# Altium PCB 28Pins_Project_PCB.PcbDoc (continued)
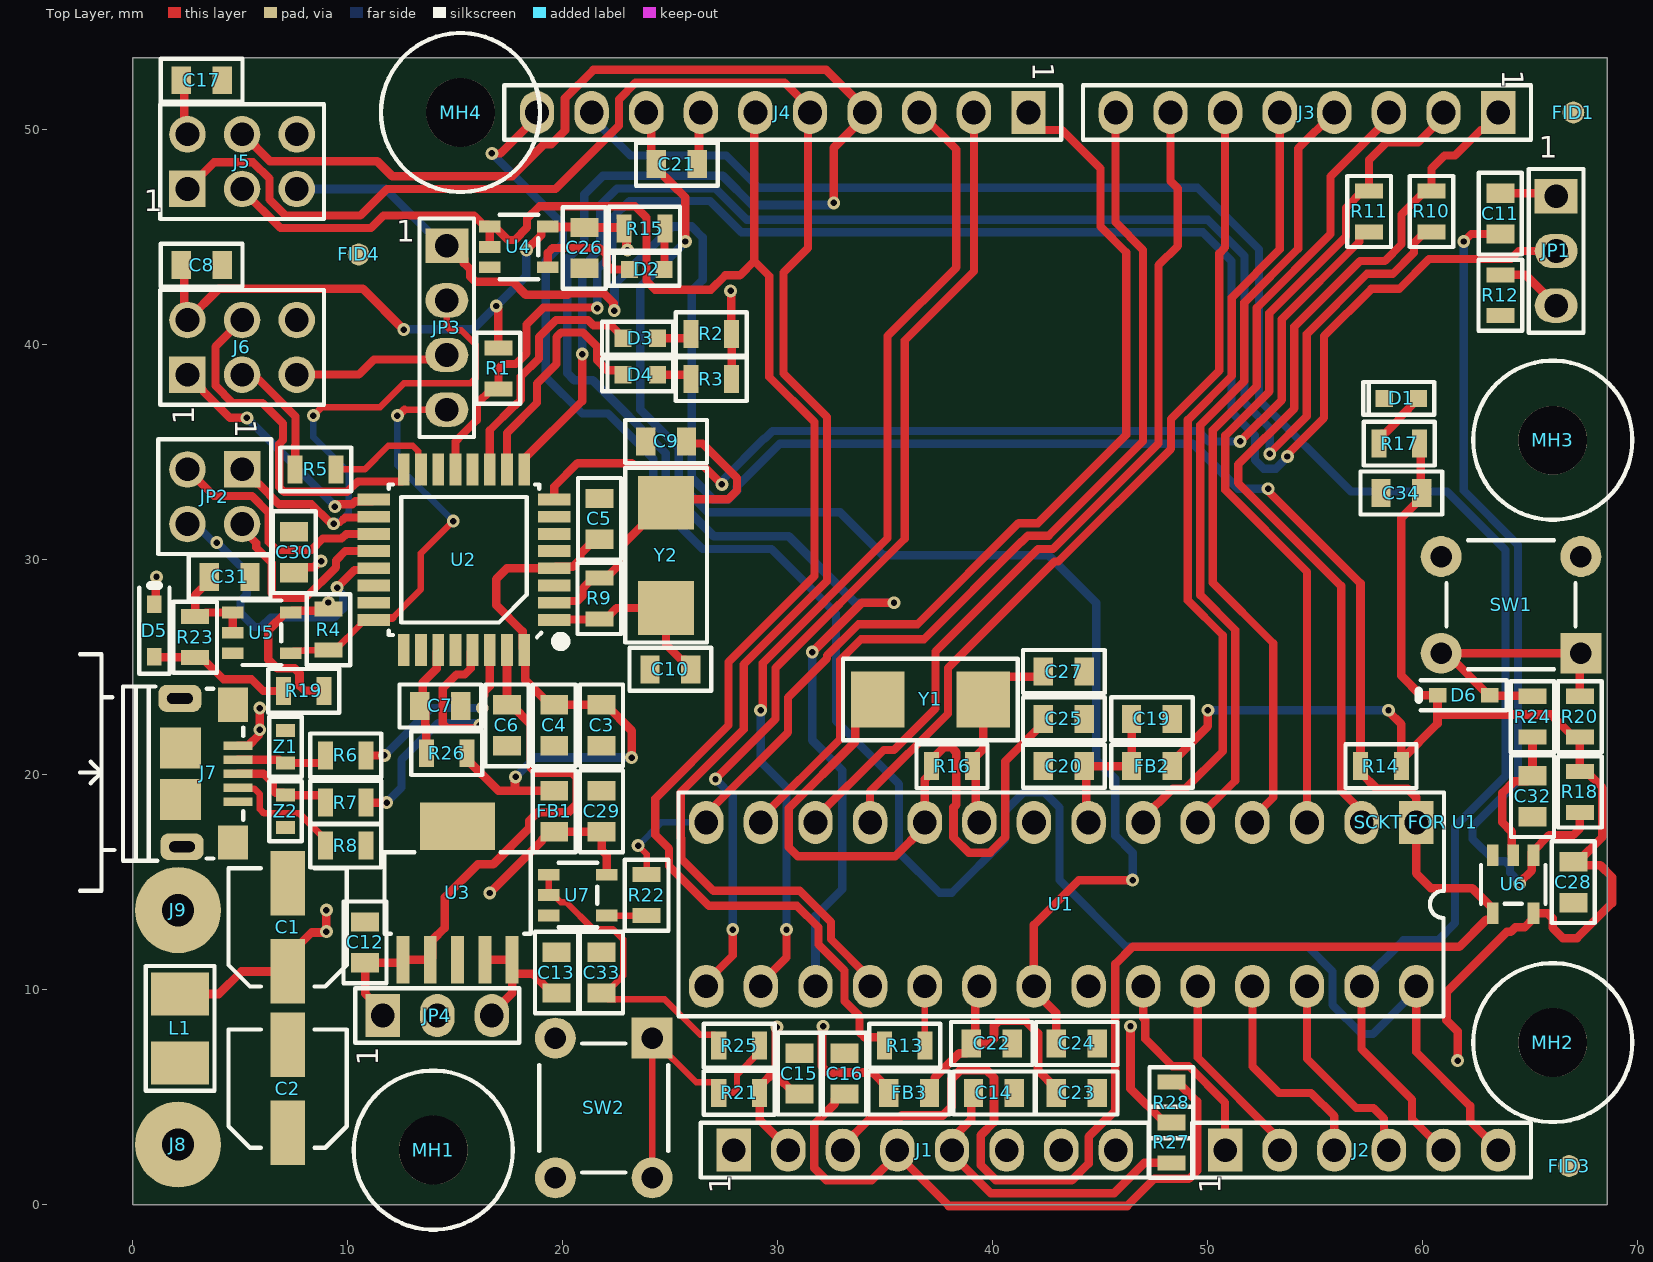
[diagram p0: Top Layer view]
## Part data (continued)
R4 R14 R18 R19 R20 R21: library part RC0805FR-0710KL, "RES SMD 10K OHM 1% 1/8W 0805", Case Code (Metric)=2012, Case Code (Imperial)=0805, Manufacturer=Yageo, Max Operating Temperature=155°C, Max Power Dissipation=125mW, Min Operating Temperature=-55°C, Package Quantity=1, Resistance=10kR, Resistance Tolerance=1%, Resistor Type="Thick Film", Supplier Part Number 1=311-10.0KCRCT-ND, Temperature Coefficient=100ppm/°C, Voltage Rating=150V, Case/Package=0805, Category="Chip SMD Resistors", Construction=Rectangular, Depth=1.25mm, Features="Moisture Resistant", Height=0.024inch, Lead Free="Lead Free", Length=2mm, Manufacturer Part Number=RC0805FR-0710KL, Military Standard=Not, Number of Terminations=2, Packaging="Tape and Reel", Power Rating=125mW, Pricing 1="1=0,10000, 10=0,04200, 100=0,01690, 1000=0,00759, 2500=0,00659 (USD)", REACH SVHC=Unknown, RoHS=Yes, RoHS Compliant=Yes, Series=RC, Size Code=0805, Stock 1=8077861, Supplier 1=Digi-Key, Technology="THICK FILM", Termination=SMD/SMT, Tolerance=1%, Width=0.049inch
R5 R6 R7 R13 R23 R24 R25: library part RC0805FR-0722RL, "RES SMD 22 OHM 1% 1/8W 0805", Case Code (Metric)=2012, Case Code (Imperial)=0805, Manufacturer=Yageo, Max Operating Temperature=155°C, Max Power Dissipation=125mW, Min Operating Temperature=-55°C, Package Quantity=1, Resistance=22R, Resistance Tolerance=1%, Resistor Type="Thick Film", Supplier Part Number 1=311-22.0CRCT-ND, Temperature Coefficient=100ppm/°C, Voltage Rating=150V, Case/Package=0805, Category="Chip SMD Resistors", ComponentLink1Description=https://datasheet.ciiva.com/11819/0900766b8106beab-11819837.pdf?src-supplier=RSComponents, ComponentLink1URL=https://datasheet.ciiva.com/11819/0900766b8106beab-11819837.pdf?src-supplier=RSComponents, ComponentLink2Description=https://datasheet.ciiva.com/46447/444164-46447574.pdf?src-supplier=Element14, ComponentLink2URL=https://datasheet.ciiva.com/46447/444164-46447574.pdf?src-supplier=Element14, ComponentLink3Description=https://datasheet.ciiva.com/2457/pyu-r-int-thick-7-2457045.pdf?src-supplier=Digi-Key, ComponentLink3URL=https://datasheet.ciiva.com/2457/pyu-r-int-thick-7-2457045.pdf?src-supplier=Digi-Key, ComponentLink4Description=https://datasheet.ciiva.com/2457/pyu-r-int-thick-7-2457046.pdf?src-supplier=Digi-Key, ComponentLink4URL=https://datasheet.ciiva.com/2457/pyu-r-int-thick-7-2457046.pdf?src-supplier=Digi-Key, ComponentLink5Description=https://datasheet.ciiva.com/2457/pyu-r-int-thick-7-2457044.pdf?src-supplier=Digi-Key, ComponentLink5URL=https://datasheet.ciiva.com/2457/pyu-r-int-thick-7-2457044.pdf?src-supplier=Digi-Key, ComponentLink6Description=https://datasheet.ciiva.com/12667/rc0805-12667371.pdf?src-supplier=Mouser, ComponentLink6URL=https://datasheet.ciiva.com/12667/rc0805-12667371.pdf?src-supplier=Mouser, Construction=Rectangular, Depth=1.25mm, Features="Moisture Resistant", Height=0.024inch, Lead Free="Lead Free", Length=0.079inch, Manufacturer Part Number=RC0805FR-0722RL, Military Standard=Not, Number of Terminations=2, Packaging="Tape and Reel", Power Rating=125mW, Pricing 1="1=0,10000, 10=0,04200, 100=0,01690, 1000=0,00759, 2500=0,00659 (USD)", REACH SVHC=Unknown, RoHS=Yes, RoHS Compliant=Yes, Series=RC, Stock 1=378305, Supplier 1=Digi-Key, Technology="THICK FILM", Termination=SMD/SMT, Tolerance=1%, Width=0.049inch, Working Voltage=150V
R8 R26 R27 R28: library part RC0805JR-070RL, "Surface Mount Thick Film Resistor, RC Series, 125 mW, - 5%, 150 V, 0805 [2012 Metric]", Case Code (Metric)=2012, Case Code (Imperial)=0805, Manufacturer=Yageo, Max Operating Temperature=155°C, Max Power Dissipation=125mW, Min Operating Temperature=-55°C, Resistance=0mR, Resistance Tolerance=5%, Resistor Type="Thick Film", Supplier Part Number 1=311-0.0ARCT-ND, Temperature Coefficient=200ppm/°C, Voltage Rating=150V, Case/Package=0805, Category="Chip SMD Resistors", ComponentLink1Description=https://datasheet.ciiva.com/7941/1738694-7941861.pdf?src-supplier=Element14, ComponentLink1URL=https://datasheet.ciiva.com/7941/1738694-7941861.pdf?src-supplier=Element14, ComponentLink2Description=https://datasheet.ciiva.com/11819/0900766b8106beab-11819430.pdf?src-supplier=RSComponents, ComponentLink2URL=https://datasheet.ciiva.com/11819/0900766b8106beab-11819430.pdf?src-supplier=RSComponents, ComponentLink3Description=https://datasheet.ciiva.com/7941/1738694-7941862.pdf?src-supplier=Element14, ComponentLink3URL=https://datasheet.ciiva.com/7941/1738694-7941862.pdf?src-supplier=Element14, ComponentLink4Description=https://datasheet.ciiva.com/7941/1738694-7941863.pdf?src-supplier=Element14, ComponentLink4URL=https://datasheet.ciiva.com/7941/1738694-7941863.pdf?src-supplier=Element14, ComponentLink5Description=https://datasheet.ciiva.com/15190/getdatasheetpartid-330685-15190028.pdf?src-supplier=Verical, ComponentLink5URL=https://datasheet.ciiva.com/15190/getdatasheetpartid-330685-15190028.pdf?src-supplier=Verical, Construction=Rectangular, Contact Plating=Tin,Matte, Depth=1.25mm, Features="Moisture Resistant", Height=0.5mm, Lead Free="Lead Free", Length=2mm, Manufacturer Part Number=RC0805JR-070RL, Military Standard=Not, Number of Pins=2, Number of Terminations=2, Packaging="Tape and Reel", Power Rating=125mW, Pricing 1="1=0,10000, 10=0,03100, 25=0,02240, 50=0,01720, 100=0,01260, 250=0,00964, 500=0,00770, 1000=0,00567 (USD)", Radiation Hardening=No, REACH SVHC=Unknown, RoHS=Yes, RoHS Compliant=Yes, Series=RC, Size Code=0805, Stock 1=2901689, Supplier 1=Digi-Key, Technology="THICK FILM", Termination=SMD/SMT, Tolerance=5%, Voltage Rating (DC)=150V, Width=1.25mm
R9 R16: library part RC0805FR-071ML, "Fixed Resistor, Metal Glaze/thick Film, 0.125W, 1000000ohm, 150V, 1% +/-Tol, 100ppm/Cel, Surface Mount, 0805", Case/Package=0805, Manufacturer="Yageo Phycomp", Max Operating Temperature=155°C, Min Operating Temperature=-55°C, Power Rating=125mW, Resistance=1MR, Supplier Part Number 1=311-1.00MCRCT-ND, Temperature Coefficient=100ppm/°C, Tolerance=1%, Voltage Rating (DC)=150V, Category="Chip SMD Resistors", Depth=1.25mm, Height=0.5mm, Lead Free="Lead Free", Length=2mm, Manufacturer Part Number=RC0805FR-071ML, Mount="Surface Mount", Number of Pins=2, Packaging="Cut Tape", Pricing 1="1=0,10000, 10=0,04200, 100=0,01690, 1000=0,00759, 2500=0,00659 (USD)", REACH SVHC="No SVHC", RoHS=Yes, Stock 1=226962, Supplier 1=Digi-Key, Width=1.25mm
R10 R11 R12: library part RC0805FR-071KL, "RESISTOR, 0805 1K 1%, FULL REEL; Product Range:YAGEO - RC Series; Resistance:1kohm; Power Rating:125mW; Resistance Tolerance:± 1%; Resistor Case Style:0805 [2012 Metric]; Resistor Element Material:Thick Film; Temperature Coefficient:± 250ppm/°C; Voltage Rating:150V; Packaging:Tape & Reel; MSL:-; SVHC:No SVHC (16-Dec-2013); External Depth:0.55mm; External Length / Height:2mm; External Width:1.25mm; No. of Pins:2; Operating Temperature Max:155°C; Operating Temperature Min:-55°C; Operating Temperature Range:-55°C to +155°C; Reel Quantity:5000; Resistor Mounting:SMD; Series:RC12H; Temperature Coef", Case Code (Metric)=2012, Case Code (Imperial)=0805, Manufacturer=Yageo, Max Operating Temperature=155°C, Max Power Dissipation=125mW, Min Operating Temperature=-55°C, Package Quantity=1, Resistance=1kR, Resistance Tolerance=1%, Resistor Type="Thick Film", Supplier Part Number 1=311-1.00KCRCT-ND, Temperature Coefficient=100ppm/°C, Voltage Rating=150V, Case/Package=0805, Category="Chip SMD Resistors", Construction=Rectangular, Depth=1.25mm, Features="Moisture Resistant", Height=0.024inch, Lead Free="Lead Free", Length=0.079inch, Manufacturer Part Number=RC0805FR-071KL, Military Standard=Not, Number of Pins=2, Number of Terminations=2, Packaging="Tape and Reel", Power Rating=125mW, Pricing 1="1=0,10000, 10=0,04200, 100=0,01690, 1000=0,00759, 2500=0,00659 (USD)", REACH SVHC=Unknown, RoHS=Yes, RoHS Compliant=Yes, Series=RC, Size Code=0805, Stock 1=4875405, Supplier 1=Digi-Key, Termination=SMD/SMT, Tolerance=1%, Voltage Rating (DC)=150V, Width=0.049inch
"SCKT FOR U1": library part 4828-3004-CP, "CONN IC DIP SOCKET 28POS TIN", Current Rating=1A, Manufacturer=3M, Max Operating Temperature=85°C, Min Operating Temperature=-25°C, Package Quantity=5600, Supplier Part Number 1=34P8056, Insulation Resistance=5GR, Category=Connectors, ComponentLink1Description=https://datasheet.ciiva.com/768/ts1099-768354.pdf?src-supplier=Digi-Key, ComponentLink1URL=https://datasheet.ciiva.com/768/ts1099-768354.pdf?src-supplier=Digi-Key, Connector Type=DIP,Socket, Contact Material=Bronze, Contact Plating=Tin, Depth=5.08mm, Gender=Female, Housing Material=Glass, Lead Free="Lead Free", Length=35.43mm, Manufacturer Part Number=4828-3004-CP, Mount="Through Hole", Number of Contacts=28, Number of Positions=28, Number of Rows=2, Orientation=Straight, Pitch=2.54mm, Pricing 1="1=0,83800, 10=0,73700, 25=0,69300, 50=0,66500, 100=0,63600, 250=0,57900 (USD)", REACH SVHC=Unknown, RoHS=Yes, Row Spacing=7.62mm, Stock 1=5, Supplier 1=Newark, Termination=Solder, Width=10.16mm
SW1 SW2: "6X6, H5,  160G TAC.SWITCH", Actuator Color=Black, Contact Current Rating=50mA, Contact Resistance=100mR, Manufacturer="TE Connectivity Alcoswitch", Max Operating Temperature=85°C, Max Voltage Rating (DC)=24V, Min Operating Temperature=-35°C, Operating Force=160gf, Package Quantity=750, Supplier Part Number 1=450-1650-ND, Actuator Length=0.055inch, Actuator Material=PBT, Actuator Type=Standard, Category="Pushbutton Switches", ComponentLink1Description=https://datasheet.ciiva.com/30199/1825910-6rqpn1825910-6-30199520.pdf?src-supplier=Onlinecomponents.com, ComponentLink1URL=https://datasheet.ciiva.com/30199/1825910-6rqpn1825910-6-30199520.pdf?src-supplier=Onlinecomponents.com, ComponentLink2Description=https://datasheet.ciiva.com/15184/getdatasheetpartid-395915-15184509.pdf?src-supplier=Verical, ComponentLink2URL=https://datasheet.ciiva.com/15184/getdatasheetpartid-395915-15184509.pdf?src-supplier=Verical, Contact Material="Copper Alloy", Contact Plating=Silver, Electrical Life=100000Cycles, ELV=Compliant, Lead Free="Lead Free", Length=5.99mm, Manufacturer Part Number=1825910-6, Max Current Rating=50mA, Mechanical Life=100000Cycles, Mount="Through Hole", Orientation=Straight, Packaging="Loose Piece", Pricing 1="1=0,11000, 10=0,11100, 25=0,10520, 100=0,09550, 250=0,08980, 500=0,08216, 1000=0,06879, 2500=0,06688, 5000=0,06306 (USD)", REACH SVHC=Unknown, RoHS=Yes, RoHS Compliant=Yes, Series=FSMJ, Stock 1=154195, Supplier 1=Digi-Key, Switch Function=Off-Mom, Switch Travel=0.25mm, Termination="PC Pins", Throw Configuration=SPST, Type=Switch, Illumination Type=Non-Illuminated,Illuminated
U1: "IC MCU 8BIT 32KB FLASH 28DIP", Case/Package=PDIP, Frequency=20MHz, Manufacturer="Microchip / Atmel", Max Operating Temperature=85°C, Max Supply Voltage=5.5V, Min Operating Temperature=-40°C, Min Supply Voltage=1.8V, Package Quantity=14, Supplier Part Number 1=ATMEGA328P-PU-ND, Category=Microcontrollers, ComponentLink1Description=https://datasheet.ciiva.com/19457/2139111-19457070.pdf?src-supplier=Jameco, ComponentLink1URL=https://datasheet.ciiva.com/19457/2139111-19457070.pdf?src-supplier=Jameco, ComponentLink2Description=https://datasheet.ciiva.com/1157/1684409-1157696.pdf?src-supplier=Element14, ComponentLink2URL=https://datasheet.ciiva.com/1157/1684409-1157696.pdf?src-supplier=Element14, ComponentLink3Description=https://datasheet.ciiva.com/20168/73-4283-20168380.pdf?src-supplier=Rapid+Electronics, ComponentLink3URL=https://datasheet.ciiva.com/20168/73-4283-20168380.pdf?src-supplier=Rapid+Electronics, ComponentLink4Description=https://datasheet.ciiva.com/29119/155197-da-01-en-microcontr-atmega328p-pu-8bit-pdip-28-29119593.pdf?src-supplier=Conrad, ComponentLink4URL=https://datasheet.ciiva.com/29119/155197-da-01-en-microcontr-atmega328p-pu-8bit-pdip-28-29119593.pdf?src-supplier=Conrad, ComponentLink5Description=https://datasheet.ciiva.com/26818/atmega328p-pu-26818578.pdf?src-supplier=IIIC, ComponentLink5URL=https://datasheet.ciiva.com/26818/atmega328p-pu-26818578.pdf?src-supplier=IIIC, ComponentLink6Description=https://datasheet.ciiva.com/15213/getdatasheetpartid-318533-15213133.pdf?src-supplier=Verical, ComponentLink6URL=https://datasheet.ciiva.com/15213/getdatasheetpartid-318533-15213133.pdf?src-supplier=Verical, Contact Plating=Tin,Matte, Core Architecture=AVR, Data Bus Width=8b, Height=3.28mm, Lead Free="Lead Free", Length=37.4mm, Manufacturer Part Number=ATMEGA328P-PU, Max Frequency=20MHz, Memory Size=32KB, Memory Type=FLASH, Mount="Through Hole", Number of ADC Channels=6, Number of Pins=28, Number of Programmable I/O=23, Number of PWM Channels=6, Number of SPI Channels=1, Number of Timers/Counters=3, Number of I2C Channels=1, Number of I/Os=23, Oscillator Type=Internal, Packaging=Rail/Tube, Peripherals="Brown-out Detect/Reset,POR,PWM,WDT", Pricing 1="1=2,63000, 25=2,41520, 100=2,19000 (USD)", Radiation Hardening=No, RAM Size=2KB, REACH SVHC="No SVHC", RoHS=Yes, RoHS Compliant=Yes, Series="AVR® ATmega", Stock 1=46558, Supplier 1=Digi-Key, Watchdog Timer=Yes, Width=6.76mm, Interface=I2C,SPI,UART,USART,2-Wire
U2: "MICROCHIP - ATMEGA16U2-AU - MCU, 8BIT, MEGAAVR, 16MHZ, TQFP-32", Case/Package=A, Frequency=16MHz, Manufacturer="Microchip / Atmel", Max Operating Temperature=85°C, Max Supply Voltage=5.5V, Min Operating Temperature=-40°C, Min Supply Voltage=2.7V, Package Quantity=1250, Supplier Part Number 1=556-ATMEGA16U2-AU, Category=Microcontrollers, ComponentLink1Description=https://datasheet.ciiva.com/13036/doc7799-28769-13036800.pdf?src-supplier=Mouser, ComponentLink1URL=https://datasheet.ciiva.com/13036/doc7799-28769-13036800.pdf?src-supplier=Mouser, ComponentLink2Description=https://datasheet.ciiva.com/22651/doc7799-22651110.pdf?src-supplier=Farnell, ComponentLink2URL=https://datasheet.ciiva.com/22651/doc7799-22651110.pdf?src-supplier=Farnell, Contact Plating=Tin,Matte, Core Architecture=AVR, Data Bus Width=8b, Height=1.05mm, Lead Free="Lead Free", Length=7mm, Manufacturer Part Number=ATMEGA16U2-AU, Max Frequency=16MHz, Memory Size=16KB, Memory Type=FLASH, Mount="Surface Mount", Number of Pins=32, Number of Programmable I/O=22, Number of PWM Channels=5, Number of SPI Channels=1, Number of Timers/Counters=2, Number of I/Os=22, Oscillator Type=Internal, Packaging=Tray, Peripherals="Brown-out Detect/Reset,POR,PWM,WDT", Pricing 1="1=2,57000, 10=2,57000, 50=2,36000, 100=2,14000, 1000=2,14000, 10000=2,14000 (USD)", RAM Size=512B, REACH SVHC="No SVHC", RoHS=Yes, RoHS Compliant=Yes, Series="AVR® ATmega", Stock 1=61, Supplier 1=Mouser, Watchdog Timer=Yes, Width=7mm, Interface=SPI,UART,USB,USART,Serial
U3: "IC REG LINEAR 3.3V 1.5A SOT223-6", Case/Package=SOT-223, Dropout Voltage=340mV, Manufacturer="Texas Instruments", Max Operating Temperature=125°C, Max Output Current=1.5A, Max Output Voltage=3.3V, Max Input Voltage=20V, Min Current Limit=1.6A, Min Operating Temperature=-40°C, Min Input Voltage=2.1V, Package Quantity=1, Quiescent Current=1mA, Supplier Part Number 1=296-24534-1-ND, Accuracy=3%, Category="Voltage Regulators - Linear", ComponentLink1Description=https://datasheet.ciiva.com/2046/tl1963a-2046161.pdf?src-supplier=Digi-Key, ComponentLink1URL=https://datasheet.ciiva.com/2046/tl1963a-2046161.pdf?src-supplier=Digi-Key, ComponentLink2Description=https://datasheet.ciiva.com/2046/tl1963a-2046162.pdf?src-supplier=Digi-Key, ComponentLink2URL=https://datasheet.ciiva.com/2046/tl1963a-2046162.pdf?src-supplier=Digi-Key, ComponentLink3Description=https://datasheet.ciiva.com/2046/tl1963a-2046163.pdf?src-supplier=Digi-Key, ComponentLink3URL=https://datasheet.ciiva.com/2046/tl1963a-2046163.pdf?src-supplier=Digi-Key, ComponentLink4Description=https://datasheet.ciiva.com/26176/tl1963a-25-26176569.pdf?src-supplier=Avnet+Europe, ComponentLink4URL=https://datasheet.ciiva.com/26176/tl1963a-25-26176569.pdf?src-supplier=Avnet+Europe, Contact Plating=Gold, Lead Free="Lead Free", Manufacturer Part Number=TL1963A-33DCQR, Min Output Voltage=3.3V, Number of Outputs=1, Number of Pins=6, Number of Regulators=1, Output Current=1.5A, Output Type=Fixed, Output Voltage=3.3V, Packaging="Tape and Reel", Polarity=Positive, Pricing 1="1=3,26000, 10=2,93100, 25=2,77120, 100=2,40190, 250=2,27868, 500=2,04466, 1000=2,03350 (USD)", Radiation Hardening=No, RoHS=Yes, RoHS Compliant=Yes, Series=-, Stock 1=2884, Supplier 1=Digi-Key, Input Bias Current=1mA
U4 U5 U6 U7: "TEXAS INSTRUMENTS - SN74AHC1G09DBVR - AND Gate, 74AHC1G09, 2 Input, 2 V to 5.5 V, SOT-23-5", Case/Package=SOT-23, Low Level Output Current=8mA, Manufacturer="Texas Instruments", Max Operating Temperature=125°C, Max Supply Voltage=5.5V, Min Operating Temperature=-55°C, Min Supply Voltage=2V, Output Current=25mA, Package Quantity=3000, Quiescent Current=1uA, Supplier Part Number 1=296-29202-1-ND, Category="Logic Gates", ComponentLink1Description=https://datasheet.ciiva.com/1864/sn74ahc1g09-1864410.pdf?src-supplier=Digi-Key, ComponentLink1URL=https://datasheet.ciiva.com/1864/sn74ahc1g09-1864410.pdf?src-supplier=Digi-Key, ComponentLink2Description=https://datasheet.ciiva.com/1864/sn74ahc1g09-1864411.pdf?src-supplier=Digi-Key, ComponentLink2URL=https://datasheet.ciiva.com/1864/sn74ahc1g09-1864411.pdf?src-supplier=Digi-Key, ComponentLink3Description=https://datasheet.ciiva.com/1864/sn74ahc1g09-1864412.pdf?src-supplier=Digi-Key, ComponentLink3URL=https://datasheet.ciiva.com/1864/sn74ahc1g09-1864412.pdf?src-supplier=Digi-Key, Contact Plating=Tin,Matte, Lead Free="Lead Free", Logic Function="AND GATE", Manufacturer Part Number=SN74AHC1G09DBVR, Mount="Surface Mount", Number of Bits=1, Number of Circuits=1, Number of Elements=1, Number of Gates=1, Number of Outputs=1, Number of Pins=5, Number of Inputs=2, Output Voltage=5.5V, Packaging="Tape and Reel", Pricing 1="1=0,40000, 10=0,29700, 25=0,25960, 100=0,16810, 250=0,13912, 500=0,11130, 1000=0,08533 (USD)", Propagation Delay=7.5ns, Radiation Hardening=No, REACH SVHC="No SVHC", RoHS=Yes, RoHS Compliant=Yes, Series=74AHC, Supplier 1=Digi-Key, Technology=CMOS
Y1 Y2: library part ABM7-16.000MHZ-D2Y-T, "CRYSTAL 16.0000MHZ 18PF SMD", Case/Package=CSMD, ESR (Equivalent Series Resistance)=50R, Frequency Stability=30ppm, Frequency Tolerance=20ppm, Load Capacitance=18pF, Manufacturer=Abracon, Max Operating Temperature=85°C, Min Operating Temperature=-40°C, Package Quantity=1000, Resistor Type=Ceramic, Supplier Part Number 1=1710290, Category=Crystals, ComponentLink1Description=https://datasheet.ciiva.com/15116/getdatasheetpartid-721624-15116835.pdf?src-supplier=Verical, ComponentLink1URL=https://datasheet.ciiva.com/15116/getdatasheetpartid-721624-15116835.pdf?src-supplier=Verical, ComponentLink2Description=https://datasheet.ciiva.com/22658/947971-22658293.pdf?src-supplier=Element14, ComponentLink2URL=https://datasheet.ciiva.com/22658/947971-22658293.pdf?src-supplier=Element14, ComponentLink3Description=https://datasheet.ciiva.com/5788/abm7-5788054.pdf?src-supplier=Farnell, ComponentLink3URL=https://datasheet.ciiva.com/5788/abm7-5788054.pdf?src-supplier=Farnell, ComponentLink4Description=https://datasheet.ciiva.com/7998/947971-7998600.pdf?src-supplier=Element14, ComponentLink4URL=https://datasheet.ciiva.com/7998/947971-7998600.pdf?src-supplier=Element14, ComponentLink5Description=https://datasheet.ciiva.com/46385/947971-46385243.pdf?src-supplier=Element14, ComponentLink5URL=https://datasheet.ciiva.com/46385/947971-46385243.pdf?src-supplier=Element14, ComponentLink6Description=https://datasheet.ciiva.com/16383/abm7-16383174.pdf?src-supplier=Future+Electronics, ComponentLink6URL=https://datasheet.ciiva.com/16383/abm7-16383174.pdf?src-supplier=Future+Electronics, ComponentLink7Description=https://datasheet.ciiva.com/18649/abm7-18649865.pdf?src-supplier=Digi-Key, ComponentLink7URL=https://datasheet.ciiva.com/18649/abm7-18649865.pdf?src-supplier=Digi-Key, ComponentLink8Description=https://datasheet.ciiva.com/18649/abm7-18649866.pdf?src-supplier=Digi-Key, ComponentLink8URL=https://datasheet.ciiva.com/18649/abm7-18649866.pdf?src-supplier=Digi-Key, ComponentLink9Description=https://datasheet.ciiva.com/18649/abm7-18649867.pdf?src-supplier=Digi-Key, ComponentLink9URL=https://datasheet.ciiva.com/18649/abm7-18649867.pdf?src-supplier=Digi-Key, ComponentLink10Description=https://datasheet.ciiva.com/26941/getdatasheetpartid-719818-26941724.pdf?src-supplier=Verical, ComponentLink10URL=https://datasheet.ciiva.com/26941/getdatasheetpartid-719818-26941724.pdf?src-supplier=Verical, Depth=3.5mm, Frequency=16MHz, Height=0.055inch, Lead Free="Lead Free", Length=6mm, Manufacturer Part Number=ABM7-16.000MHZ-D2Y-T, Mount="Surface Mount", Number of Pins=2, Packaging="Tape and Reel", Pricing 1="1000=0,52800, 3000=0,51400 (USD)", Radiation Hardening=No, REACH SVHC=Unknown, RoHS=Yes, Stock 1=1, Supplier 1=RSComponents, Termination=SMD/SMT, Tolerance=20ppm, Width=3.3mm
Z1 Z2: "VARISTOR 0603", Capacitance=0.5pF, Case Code (Metric)=1608, Case Code (Imperial)=0603, Clamping Voltage=20V, Current Rating=50nA, Manufacturer=Bourns, Max Operating Temperature=85°C, Max Voltage Rating (DC)=5V, Min Operating Temperature=-40°C, Package Quantity=1, Supplier Part Number 1=CG0603MLC-05ECT-ND, Voltage Rating (AC)=8V, Case/Package=0603, Category=Varistors, ComponentLink1Description=https://datasheet.ciiva.com/27747/1163231-27747629.pdf?src-supplier=Jameco, ComponentLink1URL=https://datasheet.ciiva.com/27747/1163231-27747629.pdf?src-supplier=Jameco, ComponentLink2Description=https://datasheet.ciiva.com/30070/mlc-30070503.pdf?src-supplier=Onlinecomponents.com, ComponentLink2URL=https://datasheet.ciiva.com/30070/mlc-30070503.pdf?src-supplier=Onlinecomponents.com, ComponentLink3Description=https://datasheet.ciiva.com/6991/mlc-6991832.pdf?src-supplier=Digi-Key, ComponentLink3URL=https://datasheet.ciiva.com/6991/mlc-6991832.pdf?src-supplier=Digi-Key, ComponentLink4Description=https://datasheet.ciiva.com/6991/mlc-6991834.pdf?src-supplier=Digi-Key, ComponentLink4URL=https://datasheet.ciiva.com/6991/mlc-6991834.pdf?src-supplier=Digi-Key, ComponentLink5Description=https://datasheet.ciiva.com/6991/mlc-6991836.pdf?src-supplier=Digi-Key, ComponentLink5URL=https://datasheet.ciiva.com/6991/mlc-6991836.pdf?src-supplier=Digi-Key, ComponentLink6Description=https://datasheet.ciiva.com/1278/1785244-1278701.pdf?src-supplier=Element14, ComponentLink6URL=https://datasheet.ciiva.com/1278/1785244-1278701.pdf?src-supplier=Element14, ComponentLink7Description=https://datasheet.ciiva.com/22696/1785244-22696318.pdf?src-supplier=Element14, ComponentLink7URL=https://datasheet.ciiva.com/22696/1785244-22696318.pdf?src-supplier=Element14, ComponentLink8Description=https://datasheet.ciiva.com/25958/mlc-25958222.pdf?src-supplier=Avnet+Europe, ComponentLink8URL=https://datasheet.ciiva.com/25958/mlc-25958222.pdf?src-supplier=Avnet+Europe, ComponentLink9Description=https://datasheet.ciiva.com/8084/mlc-8084047.pdf?src-supplier=Avnet, ComponentLink9URL=https://datasheet.ciiva.com/8084/mlc-8084047.pdf?src-supplier=Avnet, Contact Plating=Tin, Depth=0.8mm, Element Configuration=Single, Leakage Current=50nA, Length=1.6mm, Manufacturer Part Number=CG0603MLC-05E, Number of Channels=1, Number of Circuits=1, Number of Pins=2, Operating Supply Voltage=5V, Packaging="Tape and Reel", Pricing 1="1=0,49000, 10=0,34800, 25=0,28600, 100=0,22880, 250=0,16640, 500=0,13520, 1000=0,10400, 2500=0,09360 (USD)", Radiation Hardening=No, REACH SVHC="No SVHC", RoHS=Yes, RoHS Compliant=Yes, Series=MLC, Stock 1=149125, Supplier 1=Digi-Key, Termination=SMD/SMT, Thickness=0.8mm, Turn-On Delay Time=1ns, Voltage=5V, Voltage Rating (DC)=5V, Width=0.8mm, Working Voltage=5V

## Via types
v1: diameter 0.6, hole 0.3, Top Layer to Bottom Layer, 54 vias

## Nets (pads, with @x,y where several pads share a name; then routed paths per layer and width w, separated by ;. In a path a pad name is that pad's centre, name@x,y a point inside that pad or via, vN(x,y) a via of type N, cw(c..) or ccw(c..) an arc to the next point about the centre after c; other vN are vias at no path point)
16U2_16MHZ_XTAL1: C10.2 R9.1 U2.1 Y2.1 | length 8.9
  Top Layer w0.381: U2.1 19.625,27.225 21.675,27.225 R9.1 22,27.25 22.5,27.75 Y2.1 24.8,26.05 25.491,25.36 25.69,25.36 25.95,25.1 C10.2
16U2_16MHZ_XTAL2: C9.2 R9.2 U2.2 Y2.2 | length 14.7
  Top Layer w0.381: U2.2 19.685,28.084 20.684,28.084 20.954,28.354 20.954,28.704 21.4,29.15 R9.2 22,29.15 22.8,29.95 22.8,30.7 Y2.2@24.75,32.65 ; Y2.2@24.96,32.81 27.686,32.81 28.1,33.223 28.1,33.8 26.5,35.4 25.85,35.4 C9.2
16U2_BUF_RESETn: C31.2 R23.2 U5.1 U5.2 | length 4.9
  Top Layer w0.381: C31.2 3.55,29 2.9,28.35 R23.2 3.2,27.35 3.4,27.55 U5.1 U5.2
16U2_HDR_RESETn: J6.5 JP3.3 | length 7.4
  Top Layer w0.381: J6.5 10.508,38.608 11.21,39.309 14.389,39.309 JP3.3
16U2_PB4: JP2.1 JP3.2 U2.18 | length 25.9
  Top Layer w0.3: v1(8.4,36.7) 8.8,37.1 11.5,37.1 12.6,38.2 15.7,38.2 15.95,38.45 15.95,39.996 15.276,40.67 14.776,40.67 14.6,40.846 JP3.2 ; v1(9.337,31.671) 9.394,31.729 9.636,31.729 9.782,31.875
  Top Layer w0.381: JP2.1 5.74,33.541 5.836,33.541 6.798,32.578 8.314,32.578 v1@9.114,31.779 ; 9.782,31.875 9.878,31.971 11.171,31.971 U2.18
  Bottom Layer w0.3: v1(8.4,36.7) 8.4,35.7 10.05,34.05 10.05,32.2 9.669,31.819 9.566,31.819 9.418,31.671 v1(9.337,31.671)
16U2_PB5: JP2.3 U2.19 | length 11.3
  Top Layer w0.381: JP2.3 3.781,32.96 5.535,32.96 6.321,32.174 6.321,30.827 6.688,30.459 8.312,30.459 8.833,30.981 9.71,30.981 9.929,31.2 U2.19
16U2_PB6: JP2.2 U2.20 | length 9.7
  Top Layer w0.381: JP2.2 5.08,31.437 5.74,30.777 5.74,30.563 6.459,29.843 6.459,28.439 6.683,28.216 8.017,28.216 9.448,29.646 9.448,29.969 9.878,30.4 U2.20
16U2_PB7: JP2.4 U2.21 | length 14.3
  Top Layer w0.381: v1(9.5,28.7) 10.315,29.515 11.115,29.515 U2.21
  Bottom Layer w0.381: JP2.4 2.897,31.66 3.715,30.842 3.858,30.842 5.3,29.4 5.3,28.377 5.009,28.086 5.009,27.514 5.654,26.87 5.97,26.87 6.419,27.319 9.382,27.319 9.787,27.723 9.787,28.354 9.5,28.641 v1(9.5,28.7)
  other v1: 3.9,30.8
16U2_RESETn: JP3.4 R4.1 U2.24 U5.4 | length 19.7
  Top Layer w0.3: U5.4 7.475,25.775 7.975,25.775 8,25.8 R4.1 9.4,25.8 10.6,27 10.6,27.075 10.725,27.2 U2.24 ; 12.062,27.284 13.4,28.623 13.4,30.3 v1(14.9,31.8) ; 12.639,36.98 JP3.4
  Top Layer w0.381: U5.4 U5.4@7.575,25.65 ; U2.24 11.284,27.284 12.062,27.284 ; v1(12.3,36.7) 12.359,36.7 12.639,36.98
  Bottom Layer w0.3: v1(12.3,36.7) 12.3,34.4 v1(14.9,31.8)
16U2_RX_LED: D4.1 U2.10 | length 11.5
  Top Layer w0.381: U2.10 17.4,35.9 18.8,37.3 18.8,38.2 19.7,39.1 19.7,40.349 19.923,40.573 20.929,40.573 21.59,39.911 21.59,39.28 22.061,38.81 22.591,38.81 D4.1
16U2_RXD: J3.2 R11.2 U1.3 | length 39.8
  Top Layer w0.381: U1.3 54.61,29.441 50.81,33.242 50.81,35.786 52.857,37.834 52.857,41.479 56.419,45.041 56.419,46.369 57.2,47.15 R11.2 57.5,48.6 58.309,49.409 59.769,49.409 60.96,50.6 J3.2
16U2_SCLK: J6.3 R5.2 | length 5.8
  Top Layer w0.381: J6.3 5.332,38.356 5.877,38.356 7.562,36.671 7.562,35.319 7.55,35.307 R5.2
16U2_TX_LED: D3.1 U2.11 | length 11.7
  Top Layer w0.381: U2.11 16.6,36.022 17.758,37.18 17.782,37.18 18.04,37.438 18.04,38.517 18.885,39.361 18.885,40.355 19.683,41.154 21.17,41.154 21.427,40.896 22.25,40.896 22.591,40.556 22.591,40.51 D3.1
16U2_TXD: J3.1 R10.2 U1.2 | length 41.7
  Top Layer w0.381: U1.2 57.15,18.31 56.2,19.26 56.2,28.787 51.41,33.577 51.41,34.433 54.019,37.042 54.019,40.841 57.078,43.9 58.228,43.9 59,44.672 59,46.05 60.1,47.15 R10.2 60.4,48.2 61,48.8 61.5,48.8 62.69,49.99 62.89,49.99 63.5,50.6 J3.1
16U2PROG_328P_RESETn: JP1.2 R1.1 U2.13 | length 77.4
  Top Layer w0.381: U2.13 15,35.5 15.289,35.789 15.293,35.789 15.99,36.487 15.99,37.241 16.7,37.95 R1.1 17,38.886 17.223,39.11 17.812,39.11 18.304,39.601 18.304,40.947 19.091,41.735 21.565,41.735 v1(21.6,41.7) ; v1(53.7,34.8) 53.7,34.9 55.4,36.6 55.4,40.4 57.6,42.6 58.9,42.6 60.291,43.991 64.093,43.991 64.462,44.36 JP1.2
  Bottom Layer w0.381: v1(21.6,41.7) 21.6,43.5 22.31,44.21 22.31,45.905 23.095,46.69 26.853,46.69 28.315,45.229 49.771,45.229 51.1,43.9 51.1,36.877 52.191,35.786 52.191,35.214 52.186,35.21 52.186,34.637 52.59,34.233 53.163,34.233 53.7,34.77 v1(53.7,34.8)
328P_16MHZ_XTAL1: C27.2 R16.1 U1.9 Y1.1 | length 9.4
  Top Layer w0.4: U1.9 39.2,17.95 39.2,20.25 R16.1 39.05,20.7 39.55,21.2 Y1.1 40.6,24.55 42.1,24.55 C27.2
328P_16MHZ_XTAL2: C25.2 R16.2 U1.10 Y1.2 | length 33.7
  Top Layer w0.4: Y1.2 33.6,22.45 33.6,21.535 30.5,18.435 30.5,16.634 30.934,16.2 35.45,16.2 36.83,17.58 U1.10 36.83,19.78 37.15,20.1 37.15,20.7 37.734,21.284 38.066,21.284 38.3,21.05 38.3,18.607 38.17,18.477 38.17,17.083 38.873,16.38 39.867,16.38 40.57,17.083 40.57,20.62 42.35,22.4 C25.2
328P_AUTORESETn: C11.2 R18.1 U6.1 | length 40
  Top Layer w0.381: v1(61.9,44.8) 62.25,45.15 C11.2 ; v1(64.5,14.93) 64.5,14.989 65.066,15.554 65.066,16.391 65.875,17.2 67,17.2 67.3,17.5 R18.1
  Bottom Layer w0.381: v1(61.9,44.8) 61.9,33.222 64.429,30.693 64.429,19.705 62.31,17.586 62.31,17.014 63.346,15.978 63.822,15.978 64.045,15.755 64.045,15.444 64.5,14.989 v1(64.5,14.93)
328P_BUF_RESETn: C32.2 R24.2 U6.2 | length 6.6
  Top Layer w0.4: U6.2 64.134,16.316 64.134,17.35 63.7,17.784 63.7,19.149 64.251,19.7 64.85,19.7 C32.2 R24.2
328P_RESETn: J1.3 J5.5 JP3.1 R14.1 U1.1 U6.4 | length 139.2
  Top Layer w0.4: JP3.1 14.8,44.6 15.4,44 15.4,43.8 15.7,43.5 15.7,43.159 15.934,42.925 17.675,42.925 18.275,42.325 20.214,42.325 20.289,42.4 21.89,42.4 22.354,41.936 22.354,41.625 v1(22.392,41.587) ; J1.3 33.02,2.74 34.22,3.94 35.556,3.94 35.766,4.15 37.666,4.15 38.075,4.559 38.075,5.841 38.484,6.25 39.716,6.25 40.05,5.916 40.05,3.847 39.44,3.237 39.44,1.843 40.143,1.14 43.677,1.14 44.45,1.913 44.45,3.167 45.223,3.94 45.256,3.94 45.7,4.384 45.7,11.2 46.5,12 61.7,12 62.95,13.25 63.175,13.25 63.25,13.325 63.25,13.775 62.3,14.725 60.375,14.725 59.69,15.41 U1.1 59.69,18.956 59.296,19.35 57.85,19.35 57.1,20.1 R14.1 57.1,28.9 52.8,33.2 v1(52.8,33.3)
  Bottom Layer w0.4: J5.5 7.764,47.1 7.908,47.244 11.756,47.244 14.4,44.6 JP3.1 ; v1(22.392,41.587) 22.392,41.692 22.4,41.7 22.4,42.81 25.09,45.5 25.99,45.5 26.5,44.99 26.5,43.01 25.99,42.501 25.99,33.81 27,32.8 27.69,32.8 28.1,33.21 28.1,33.4 30.1,35.4 49.3,35.4 51.4,33.3 v1(52.8,33.3)
+3V3: C13.2 C16.2 J1.4 JP4.3 R28.2 U3.4 U3.5 | length 36.1
  Top Layer w0.4: U3.4 U3.5 U3.5@17.64,10.85 ; JP4.3 16.7,8.9 17.64,9.84 U3.5@17.64,10.85 ; C13.2 19.5,9.85 18.6,10.75 17.74,10.75 U3.5@17.64,10.85 ; C16.2 32.9,5.15 32.65,4.9 32.65,4.7 31.7,3.75 31.7,1.7 32.26,1.14 34.36,1.14 J1.4@35.56,2.34 ; J1.4 J1.4@35.56,2.34 ; R28.2 48.6,5.7 49.5,4.8 49.5,1.584 49.116,1.2 47.5,1.2 46.24,-0.06 37.96,-0.06 J1.4@35.56,2.34
+3V3_16U2_UCAP: C7.2 R26.1 U2.27 | length 5.3
  Top Layer w0.4: R26.1 13.65,22.25 13.6,22.3 13.6,22.95 C7.2 13.491,23.341 13.491,24.3 14.125,24.934 14.125,25.725 U2.27
+5V: C2.1 C6.2 C12.2 C14.2 J1.5 J8.1 JP4.1 L1.2 R27.1 U2.31 U3.1 U3.2 | length 41.6
  Top Layer w0.4: JP4.1 11.62,9 10.8,9.82 C12.2 12.46,11.25 12.56,11.35 U3.1 U3.2 13.93,11.5 13.93,12.3 14.5,12.87 14.5,14.29 16.051,15.841 16.757,15.841 18.45,17.534 18.45,17.866 18.834,18.25 20.266,18.25 20.65,18.634 20.65,19.866 20.416,20.1 18.734,20.1 18.5,20.334 18.5,22.35 17.6,23.25 C6.2 U2.31 ; C14.2 38.985,5.085 38.985,3.95 38.1,3.065 38.1,2.334 39.894,0.54 45.64,0.54 47.05,1.95 R27.1
+5V/3V3: C8.2 C15.2 C17.2 C26.2 C28.2 C29.2 C30.2 C34.2 D5.1 D6.1 FB1.1 FB2.1 FB3.1 J1.2 J5.2 J6.2 JP4.2 R1.2 R2.2 R3.2 R4.2 R14.2 R15.2 R17.2 R18.2 R19.2 R20.2 R21.2 R27.2 R28.1 U4.5 U5.5 U6.5 U7.5 | length 139.5
  Top Layer w0.4: D5.1 1.062,27.981 1.062,29.162 v1(1.1,29.2) ; C8.2 2.395,43.555 2.395,41.293 J6.2 3.992,42.6 10.7,42.6 v1(12.6,40.7) ; C17.2 2.395,52.155 2.395,49.929 J5.2 ; C30.2 7.75,29.65 8.421,29.65 8.703,29.932 v1(8.757,29.932) ; R19.2 8,23.9 7.75,24.15 7.75,24.716 7.516,24.95 6.709,24.95 6.3,25.359 6.3,26.725 7.125,27.55 U5.5 7.425,27.625 9.025,27.625 R4.2 8.955,27.845 9.091,27.845 9.096,27.85 v1(9.096,28.01) ; v1(16.6,14.5) 19.05,16.95 19.05,17 19.4,17.35 FB1.1 C29.2 21.8,16.5 22.05,16.25 U7.5 ; v1(16.9,41.8) 16.9,41.746 17,41.646 R1.2 ; v1(18.3,44.4) 19,45.1 19,45.425 19.075,45.5 U4.5 19.325,45.475 20.975,45.475 C26.2 22.8,45.45 R15.2 23,45.25 22.962,45.212 22.962,44.438 v1(23,44.4) ; v1(27.8,42.5) 27.825,42.475 27.825,40.525 R2.2 R3.2 ; 29.9,6.05 30.8,5.15 C15.2 ; v1(29.952,8.265) 29.9,8.213 29.9,6.25 29.15,5.5 R21.2 29.15,3.95 30.48,2.62 J1.2 ; v1(32.1,8.3) 32.05,8.25 32.05,6.434 32.333,6.151 34.399,6.151 35.15,5.4 FB3.1 ; v1(46.4,8.3) 46.4,5.4 48,3.8 R28.1 ; FB2.1 48.35,20.6 50,22.25 v1(50,23) ; v1(58.4,23) 58.4,22.946 59,22.346 R14.2@59,20.7 ; R14.2 R14.2@59,20.7 ; R17.2 59.9,35.35 59.9,33.15 C34.2 59.95,32.9 59,31.95 59,24.6 59.9,23.7 D6.1 60.6,23.619 60.619,23.619 60.681,23.557 60.681,22.969 ; v1(61.617,6.7) 61.617,8.062 61.1,8.579 61.1,9.888 63.912,12.7 64.094,12.7 64.294,12.9 64.725,12.9 65.15,13.325 U6.5 65.801,13.55 66.036,13.316 66.036,12.874 66.51,12.4 67.166,12.4 68.8,14.034 68.8,15.24 68.25,15.79 67.16,15.79 C28.2 ; C28.2@67.2,15.95 68.35,17.1 68.35,19.4 67.6,20.15 R18.2 R20.2 67,21.75 65.95,22.8 60.85,22.8 60.681,22.969 ; R14.2@59,20.7 60.681,22.381 60.681,22.969
  Bottom Layer w0.4: v1(12.6,40.7) 12.62,40.72 15.82,40.72 18.3,43.2 v1(18.3,44.4) ; J1.2 J1.2@30.48,2.74 ; v1(50,23) v1(58.4,23)
+5V/3V3_16U2: C3.2 C4.2 C5.2 FB1.2 R26.2 U2.4 U2.32 | length 29.5
  Top Layer w0.4: R26.2 15.55,20.7 17,19.25 17.773,19.25 ; v1(17.8,19.9) 17.773,19.873 17.773,19.25 ; FB1.2 17.773,19.25 ; C5.2 21.5,30.95 20.8,30.25 20.8,30.009 20.466,29.675 19.675,29.675 U2.4 17.4,29.6 16.9,29.1 16.9,27.891 18.125,26.666 18.125,25.875 U2.32 18.25,25.75 18.25,24.4 19.4,23.25 C4.2 C3.2 22,23.25 23.2,22.05 v1(23.2,20.8)
  Bottom Layer w0.4: v1(17.8,19.9) 18.7,20.8 v1(23.2,20.8)
+5V/3V3_328P_AVCC: C22.2 C23.2 FB3.2 U1.20 | length 13.3
  Top Layer w0.4: FB3.2 37.3,5.45 37.3,5.914 38.436,7.05 38.75,7.05 39,7.3 C22.2 ; U1.20 39.185,9.975 39.185,7.685 C22.2 ; C23.2 42.95,5.4 42.1,6.25 42.1,7.966 41.516,8.55 40.284,8.55 40.05,8.316 40.05,7.734 39.816,7.5 C22.2
+5V/3V3_328P_VCC: C19.2 C20.2 FB2.2 U1.7 | length 7.1
  Top Layer w0.4: U1.7 44.35,17.88 44.35,20.3 C20.2 FB2.2 C19.2
+5V_USB: C1.1 J7.1 L1.1 | length 11.6
  Top Layer w0.4: L1.1 4,9.8 5.05,10.85 C1.1 7.2,11.55 8.312,12.662 8.962,12.662 v1(9,12.7) v1(9,13.7) ; J7.1 5.362,21.35 v1@5.862,21.85 ; v1(5.9,22.094) v1(5.9,23.1)
+AREF: C21.2 C24.2 J4.8 U1.21 | length 66.3
  Top Layer w0.4: J4.8 24.106,50.57 24.106,48.644 C21.2 24.35,48.2 25.067,47.483 25.7,46.85 v1(25.7,44.8) ; C24.2 42.95,8.92 41.91,9.96 U1.21 41.91,13.01 44,15.1 v1(46.5,15.1)
  Bottom Layer w0.4: v1(25.7,44.8) 25.7,44.789 23.6,42.689 23.6,36.984 25.39,35.193 25.39,33.561 26.751,32.2 32.9,32.2 34.9,30.2 42.6,30.2 44.8,28 44.8,20.7 45.7,19.8 45.7,17.173 46.5,16.373 v1(46.5,15.1)
AD0: J2.1 U1.23 | length 9.6
  Top Layer w0.381: U1.23 46.99,8.687 47.091,8.586 47.091,7.709 48.359,6.441 49.112,6.441 50.8,4.752 J2.1
AD1: J2.2 U1.24 | length 9.2
  Top Layer w0.381: U1.24 49.53,6.844 53.34,3.034 J2.2
AD2: J2.3 U1.25 | length 10.1
  Top Layer w0.381: U1.25 52.07,6.43 53.3,5.2 54.8,5.2 55.88,4.12 J2.3
AD3: J2.4 U1.26 | length 9.7
  Top Layer w0.381: U1.26 54.61,6.79 56.9,4.5 57.7,4.5 58.187,4.013 58.187,2.773 J2.4
AD4/SDA: J2.5 J4.9 U1.27 | length 88.4
  Top Layer w0.381: U1.27 57.15,7.25 59.5,4.9 59.5,4 J2.5
  Bottom Layer w0.381: J4.9 21.336,50.6 23.136,48.8 27.6,48.8 29.1,47.3 49.522,47.3 52.381,44.441 52.381,37.441 56.649,33.173 61.127,33.173 63.848,30.452 63.848,19.946 61.5,17.598 61.5,13.1 60.7,12.3 59.09,12.3 57.15,10.36 U1.27
AD5/SCL: J2.6 J4.10 U1.28 | length 92.5
  Top Layer w0.381: v1(16.7,48.9) 17.096,48.9 18.796,50.6 J4.10 ; U1.28 59.69,7.11 62.2,4.6 62.2,3.9 63.5,2.6 J2.6 J2.6@63.067,2.973
  Bottom Layer w0.381: v1(16.7,48.9) 20,45.6 20,44.7 19.2,43.9 19.2,38.5 20.9,36.8 22.1,36.8 24.2,34.7 24.2,32.8 26.5,30.5 29.7,30.5 32.7,27.5 32.7,22.5 35.639,19.561 35.639,16.384 37.514,14.51 38.086,14.51 40.561,16.984 40.561,18.314 41.417,19.171 42.403,19.171 43.101,18.473 43.101,15.099 46.2,12 54.654,12 55.801,10.853 55.801,9.299 57.157,7.943 57.673,7.943 59.69,9.96 U1.28
BUTTON_RESETn: D6.2 R20.1 R24.1 SW1.1 SW1.2 | length 13.1
  Top Layer w0.4: SW1.2 SW1.1 67.3,25.6 R20.1 ; SW1.2@61.306,25.45 63.056,23.7 D6.2 63.144,23.675 65.075,23.675 R24.1
CON_USB_N: J7.2 R6.1 Z1.2 | length 4.4
  Top Layer w0.381: J7.2 6.8,20.7 6.95,20.55 Z1.2 8.791,20.55 8.95,20.71 R6.1
CON_USB_P: J7.3 R7.1 Z2.2 | length 4.9
  Top Layer w0.381: J7.3 6.077,20.05 6.3,19.827 6.3,19.823 6.523,19.6 6.523,19.277 6.64,19.159 6.991,19.159 Z2.2 8.791,19.05 8.95,18.89 R7.1
GND: C1.2 C2.2 C3.1 C4.1 C5.1 C6.1 C7.1 C8.1 C9.1 C10.1 C12.1 C13.1 C14.1 C15.1 C16.1 C17.1 C19.1 C20.1 C21.1 C22.1 C23.1 C24.1 C25.1 C26.1 C27.1 C28.1 C29.1 C30.1 C31.1 C32.1 C33.1 C34.1 D1.1 J1.6 J1.7 J4.7 J5.6 J6.6 J7.5 J7.6 J7.7 J7.8 J7.9 J7.10 J7.11 J9.1 MH1.1 MH2.1 MH3.1 R8.2 R12.1 SW1.3 SW1.4 SW2.3 SW2.4 U1.8 U1.22 U2.3 U2.28 U3.3 U3.6 U4.3 U5.3 U6.3 U7.3 Z1.1 Z2.1 | length 2.8
  Top Layer w0.4: C21.1 26.333,48.483 26.333,50.717 J4.7
  Bottom Layer w0.4: J4.7 J4.7@26.416,51.148
IO2: J3.3 U1.4 | length 38
  Top Layer w0.381: U1.4 52.07,17.98 53.04,18.95 53.04,26.115 50.229,28.926 50.229,36.027 52.276,38.074 52.276,41.719 55.7,45.143 55.7,47.823 58.42,50.543 J3.3
IO3: J3.4 U1.5 | length 37
  Top Layer w0.381: U1.5 49.53,17.98 51.271,19.721 51.271,26.727 49.648,28.351 49.648,36.267 51.695,38.315 51.695,41.96 54.2,44.465 54.2,49.12 J3.4
IO4: J3.5 U1.6 | length 37.3
  Top Layer w0.381: U1.6 46.99,17.98 48.369,19.359 48.962,19.359 50.69,21.088 50.69,26.486 49.067,28.11 49.067,36.508 51.114,38.555 51.114,42.201 53.34,44.427 J3.5
IO5: J3.6 U1.11 | length 40
  Top Layer w0.381: U1.11 34.29,19.216 37.91,22.836 37.91,24.962 42.867,29.919 43.041,29.919 48.281,35.159 48.281,36.544 50.533,38.796 50.533,44.251 50.8,44.518 J3.6
IO6: J3.7 U1.12 | length 40.8
  Top Layer w0.381: U1.12 31.75,17.98 34.926,21.156 35.408,21.156 37.329,23.076 37.329,25.729 42.1,30.5 42.8,30.5 47.7,35.4 47.7,43.7 48.6,44.6 48.6,47.265 48.26,47.605 J3.7
IO7: J3.8 U1.13 | length 43.2
  Top Layer w0.381: U1.13 29.21,17.98 32.9,21.67 32.9,25.335 33.865,26.3 36.8,26.3 41.361,30.861 41.377,30.861 41.635,31.119 42.597,31.119 46.989,35.511 46.989,44.411 45.7,45.7 45.7,50.78 J3.8
IO8: J4.1 R22.2 U1.14 | length 50.8
  Top Layer w0.3: v1(23.5,16.7) 23.9,16.3 R22.2
  Top Layer w0.381: U1.14 26.67,18.17 30.471,21.971 30.471,23.595 32.29,25.414 32.29,25.547 33.743,27 36.5,27 41.2,31.7 42.1,31.7 46.2,35.8 46.2,44.3 45,45.5 45,48.2 43.209,49.99 42.266,49.99 41.656,50.6 J4.1
  Bottom Layer w0.3: v1(23.5,16.7) 24.58,17.78 U1.14
IO9: J4.2 U1.15 | length 46.5
  Top Layer w0.381: U1.15 26.67,10.36 27.9,11.59 v1(27.9,12.8) ; v1(27.1,19.8) 29.89,22.591 29.89,24.967 35.9,30.977 35.9,40.2 39.116,43.416 J4.2
  Bottom Layer w0.381: v1(27.1,19.8) 27.9,19 v1(27.9,12.8)
MISO: J4.5 J5.1 U1.18 | length 85.9
  Top Layer w0.381: J5.1 3.781,48.485 5.594,48.485 6.35,47.728 6.35,46.76 7.106,46.003 10.58,46.003 11.821,47.244 19.664,47.244 22.606,50.186 22.606,51.414 23.383,52.191 30.305,52.191 31.496,51 J4.5 31.4,50.704 31.4,44.5 30.261,43.361 30.261,38.661 32.281,36.641 32.281,29.001 28.411,25.131 28.411,22.111 25.479,19.179 25.479,17.087 25.522,17.045 25.522,16.078 27,14.6 31.022,14.6 32.474,13.148 32.474,12.348 34.29,10.532 U1.18
MOSI: J4.4 J5.4 U1.17 | length 101.6
  Top Layer w0.4: J5.4 5.129,49.784 6.379,48.534 11.366,48.534 12.066,47.834 17.634,47.834 19.134,49.334 19.466,49.334 20.1,49.969 20.1,51.461 21.42,52.781 32.255,52.781 34.036,51 J4.4 34.036,50.6 32.6,49.164 v1(32.6,46.6) ; v1(31.6,25.7) 33.9,28 v1(35.4,28)
  Bottom Layer w0.4: v1(31.6,25.7) 31.6,21.6 33,20.2 33,14.682 31.75,13.432 U1.17 ; v1(32.6,46.6) 32.5,46.5 28.8,46.5 27.438,47.862 21.862,47.862 21,47 21,44.8 20.2,44 20.2,38.684 20.534,38.35 21.385,38.35 24.79,34.945 24.79,33.312 27.012,31.09 30.51,31.09 33.6,28 v1(35.4,28)
NetC11_1: C11.1 JP1.1 | length 2.7
  Top Layer w0.4: C11.1 66.05,47.05 JP1.1
NetD1_2: D1.2 R17.1 | length 2.9
  Top Layer w0.4: R17.1 57.95,35.7 58.1,35.85 58.214,35.85 58.907,36.543 58.907,36.607 D1.2
NetD2_1: D2.1 U4.4 | length 5.5
  Top Layer w0.381: U4.4@19.525,43.6 U4.4 19.3,44.277 19.523,44.5 21.702,44.5 22.041,44.162 22.041,43.723 22.264,43.5 D2.1
NetD2_2: D2.2 R15.1 | length 1.9
  Top Layer w0.381: D2.2 24.725,43.525 24.725,45.375 R15.1
NetD3_2: D3.2 R2.1 | length 1.7
  Top Layer w0.381: D3.2 25.79,40.3 25.95,40.46 R2.1
NetD4_2: D4.2 R3.1 | length 1.7
  Top Layer w0.381: D4.2 25.79,38.6 25.95,38.44 R3.1
NetD5_2: D5.2 R19.1 R23.1 | length 6.7
  Top Layer w0.381: D5.2 1.015,25.465 2.885,25.465 R23.1 3.2,25.45 4.21,24.44 5.524,24.44 6.064,23.9 R19.1
NetJ6_1: J6.1 U2.17 | length 11.4
  Top Layer w0.381: J6.1 3.258,37.89 3.258,37.854 4.512,36.6 v1(5.3,36.6) ; v1(9.4,32.469) 9.459,32.469 9.569,32.578 10.202,32.578 10.339,32.716 11.115,32.716 U2.17
  Bottom Layer w0.381: v1(5.3,36.6) 9.4,32.5 v1(9.4,32.469)
NetJ6_4: J6.4 U2.16 | length 17.1
  Top Layer w0.381: J6.4 3.839,39.907 3.839,38.094 4.643,37.29 6.031,37.29 6.981,36.341 6.981,35.559 6.809,35.388 6.809,34.905 6.809,33.388 7.038,33.159 9.962,33.159 10.226,33.424 10.246,33.424 10.463,33.641 12.515,33.641 12.6,33.725 U2.16
NetJ7_4: J7.4 R8.1 | length 5.8
  Top Layer w0.3: J7.4 4.937,19.35 5.657,19.35 5.912,19.095 5.912,18.388 6.1,18.2 7.75,18.2 8.75,17.2 8.75,16.9 R8.1
NetJP1_3: JP1.3 R12.2 | length 3.2
  Top Layer w0.4: R12.2 64.77,43.25 JP1.3
NetR5_1: R5.1 U2.15 | length 5.3
  Top Layer w0.3: R5.1 10.785,34.2 11.885,35.3 13.02,35.3 13.275,35.045 13.275,34.325 U2.15
NetR10_1: R10.1 U2.9 | length 69.4
  Top Layer w0.381: U2.9 18.2,34.675 20.9,37.375 v1(20.9,39.566) ; v1(52.877,34.923) 52.877,34.953 54.6,36.677 54.6,40.5 57.4,43.3 58.6,43.3 59.581,44.281 59.581,44.731 60.1,45.25 R10.1
  Bottom Layer w0.381: v1(20.9,39.566) 20.9,43.622 21.729,44.45 21.729,46.486 22.514,47.271 27.093,47.271 28.555,45.81 50.012,45.81 51.7,44.122 51.7,37.3 52.877,36.123 v1(52.877,34.923)
NetR11_1: R11.1 U2.8 | length 47.1
  Top Layer w0.381: U2.8 19.6,33.4 20.69,34.49 23.207,34.49 23.298,34.4 26.5,34.4 v1(27.4,33.5) ; v1(51.5,35.5) 53.438,37.438 53.438,41.188 57.04,44.79 57.04,45.09 57.2,45.25 R11.1
  Bottom Layer w0.381: v1(27.4,33.5) 27.442,33.542 27.442,33.718 29.359,35.635 29.4,35.635 29.755,35.99 49.545,35.99 50.035,35.5 v1(51.5,35.5)
NetR22_1: R22.1 U7.4 | length 1.9
  Top Layer w0.3: U7.4 R22.1
SCK: J4.6 J5.3 R13.2 U4.1 U4.2 | length 86
  Top Layer w0.381: J5.3 5.08,47.208 6.866,45.422 11.078,45.422 11.659,46.003 15.871,46.003 16.29,45.585 16.515,45.585 U4.1 ; U4.2 U4.1 ; J4.6 28.9,50.744 28.9,43.9 ; R13.2 34.95,7.631 34.79,7.791 34.02,7.791 33.797,8.014 33.797,8.769 33.099,9.467 33.099,10.901 31.893,12.107 31.893,12.907 30.896,13.904 26.796,13.904 24.941,15.76 24.941,16.559 24.3,17.2 24.3,18.9 27.7,22.3 27.7,25.241 31.7,29.241 31.7,36.4 29.6,38.5 29.6,43.2 28.9,43.9 ; U4.1 16.685,45.415 16.91,45.415 17.448,44.877 17.764,44.877 18.339,45.451 18.339,45.866 18.913,46.441 23.362,46.441 23.891,45.912 23.891,42.957 24.289,42.559 26.882,42.559 27.553,43.229 28.229,43.229 28.9,43.9
SCK_R: R13.1 U1.19 | length 2.8
  Top Layer w0.3: U1.19 36.84,10.15 36.84,7.41 R13.1
SS: J4.3 U1.16 | length 46.1
  Top Layer w0.381: v1(29.2,23) 29.3,23.1 29.3,25.198 35.1,30.998 35.1,40.4 38.3,43.6 38.3,49.076 J4.3 ; U1.16 29.21,10.31 30.4,11.5 v1(30.4,12.8)
  Bottom Layer w0.381: v1(29.2,23) 29.2,20.614 30.401,19.414 v1@30.401,12.801
USB_N: R6.2 U2.30 | length 9.2
  Top Layer w0.381: R6.2 v1(11.7,20.9) ; v1(16.25,23.1) 16.292,23.142 16.292,23.645 16.359,23.712 16.359,23.862 16.6,24.102 U2.30
  Bottom Layer w0.381: v1(11.7,20.9) 13.9,23.1 v1(16.25,23.1)
USB_P: R7.2 U2.29 | length 13.7
  Top Layer w0.381: R7.2 v1(11.8,18.7) ; U2.29 15.715,25.715 15.715,24.938 15.437,24.659 15.057,24.659 14.409,24.012 14.409,22.388 14.638,22.159 15.93,22.159 16.078,22.308 v1(16.138,22.308)
  Bottom Layer w0.381: v1(11.8,18.7) 12.5,19.4 12.5,20.7 14.2,22.4 15.9,22.4 15.95,22.35 16.096,22.35 v1(16.138,22.308)
USER_BUTTON: R21.1 R25.1 SW2.1 SW2.2 | length 14.2
  Top Layer w0.3: SW2.2 SW2.1 26.2,5.7 27.05,5.7 27.25,5.5 R21.1 27.9,5.2 28.1,5.4 28.1,6.05 29.15,7.1 R25.1
USER_BUTTON_BUF: C33.2 R25.2 U7.1 U7.2 | length 14.9
  Top Layer w0.3: U7.1 U7.2 19.575,14.4 19.9,14.075 20.155,14.075 21.405,12.825 22.32,12.825 22.8,12.345 22.8,10.65 22,9.85 C33.2 21.9,9.75 22.1,9.55 24.745,9.55 26.395,7.9 27.05,7.9 27.25,7.7 R25.2
pads on no net: FID1.1 FID3.1 FID4.1 J1.1 J1.8 MH4.1 U2.5 U2.6 U2.7 U2.12 U2.14 U2.22 U2.23 U2.25 U2.26

## Polygon pours and split planes (outlines as drawn)
GND on Bottom Layer "GND_L02_P014" (solid, remove dead copper, pour order 14): 0.4,53.1 0.4,46.8 6.072,46.428 0.4,46.8 0.4,41.4 0.4,29.5 10.6,31.5 10.6,23.3 14.8,19.1 17.3,19.1 17.3,17 17.2,16.9 17.7,16.4 17.7,11.7 17.8,11.6 17.9,11.7 24.9,11.7 24.9,11.4 27,9.3 27,9.1 27.2,8.9 27.5,9.2 47.4,9.2 39.7,9.2 39.7,0.3 39.8,0.2 68.3,0.2 68.1,42.1 62.8,42.1 57.4,42.1 57.4,32.6 57.4,31.4 57.4,30.2 57.4,25.9 51.9,25.9 48.3,25.9 39.4,25.9 37.2,25.9 33,27.1 28.3,31.8 28.5,32 28.5,48 27.2,49.3 25.4,49.3 25.4,53.1 24.7,53.1
+5V/3V3 on Bottom Layer "+5V/3V3_L02_P007" (solid, remove dead copper, pour order 7): 0.3,9.8 12.4,9.8 12.4,6.5 22.934,6.5 22.9,0 54.195,0.3 64.6,0.3 64.6,5.7 63.3,7 63.3,7.6 48.6,7.6 47.3,8.9 26.9,8.7 24.5,11.3 17.3,11.3 17.3,16.2 14.4,19.1 14.4,27.4 9.7,32.1 9.7,51.4 0.3,51.4
+5V_USB on Bottom Layer "+5V_USB_L02_P006" (solid, remove dead copper, pour order 6): 5,17.5 5.9,16.6 5.9,15.2 7.8,13.3 7.8,12.3 7.9,12.2 10.9,12.2 10.9,17.4 7.8,20.5 7.8,22.3 6.3,23.8 5,23.8
+3V3 on Bottom Layer "+3V3_L02_P005" (solid, remove dead copper, pour order 5): 15.9,9.8 15.9,7.9 20.8,3 26.5,3 26.5,1.7 27.2,1 36.4,1 36.4,3.7 36.35,5.7 22.8,5.7 22.8,9.44 22.5,9.8
+5V on Bottom Layer "+5V_L02_P000" (solid, remove dead copper, pour order 0): 0.3,0 0.3,9.8 12.4,9.8 12.4,6.5 16.4,6.5 20.2,2.7 26.1,2.7 26.1,1.6 27,0.7 36.8,0.7 36.8,3.7 39.3,3.7 39.4,3.6 39.4,0.3 39.1,0
+5V/3V3 on Bottom Layer "+5V/3V3_L02_P011" (solid, remove dead copper, pour order 11): 20.6,44 23.2,41.4 28.8,41.4 29.5,42.1 29.5,47.4 28.6,48.3 20.7,48.3 20.6,48.2
GND on Bottom Layer "GND_L02_P012" (solid, remove dead copper, pour order 12): 25.4,53.1 25.4,49.1 27.8,49.1 29.2,47.7 38.1,47.7 38.2,47.6 38.3,47.7 68.4,47.7 68.3,47.8 68.3,53.1

## Silkscreen, mask and mechanical layers (free items; w line width, h text height)
Board Outline:
  the board outline again, w0.3

## Text inside footprints (layer, text, board x,y; h text height)
J1: Top Overlay "1" at 27.8,0.5 h1 r90
J2: Top Overlay "1" at 50.6,0.5 h1 r90
J3: Top Overlay "1" at 63.7,52.8 h1 r270
J4: Top Overlay "1" at 41.856,53.14 h1 r270
J5: Top Overlay "1" at 0.5,46.2 h1
J6: Top Overlay "1" at 2.848,36.268 h1 r90
JP1: Top Overlay "1" at 65.4,48.7 h1
JP2: Top Overlay "1" at 4.772,36.54 h1 r270
JP3: Top Overlay "1" at 12.26,44.8 h1
JP4: Top Overlay "1" at 11.42,6.46 h1 r90